# KiCad board GateMateA1-EVB_Rev_A.kicad_pcb (continued)
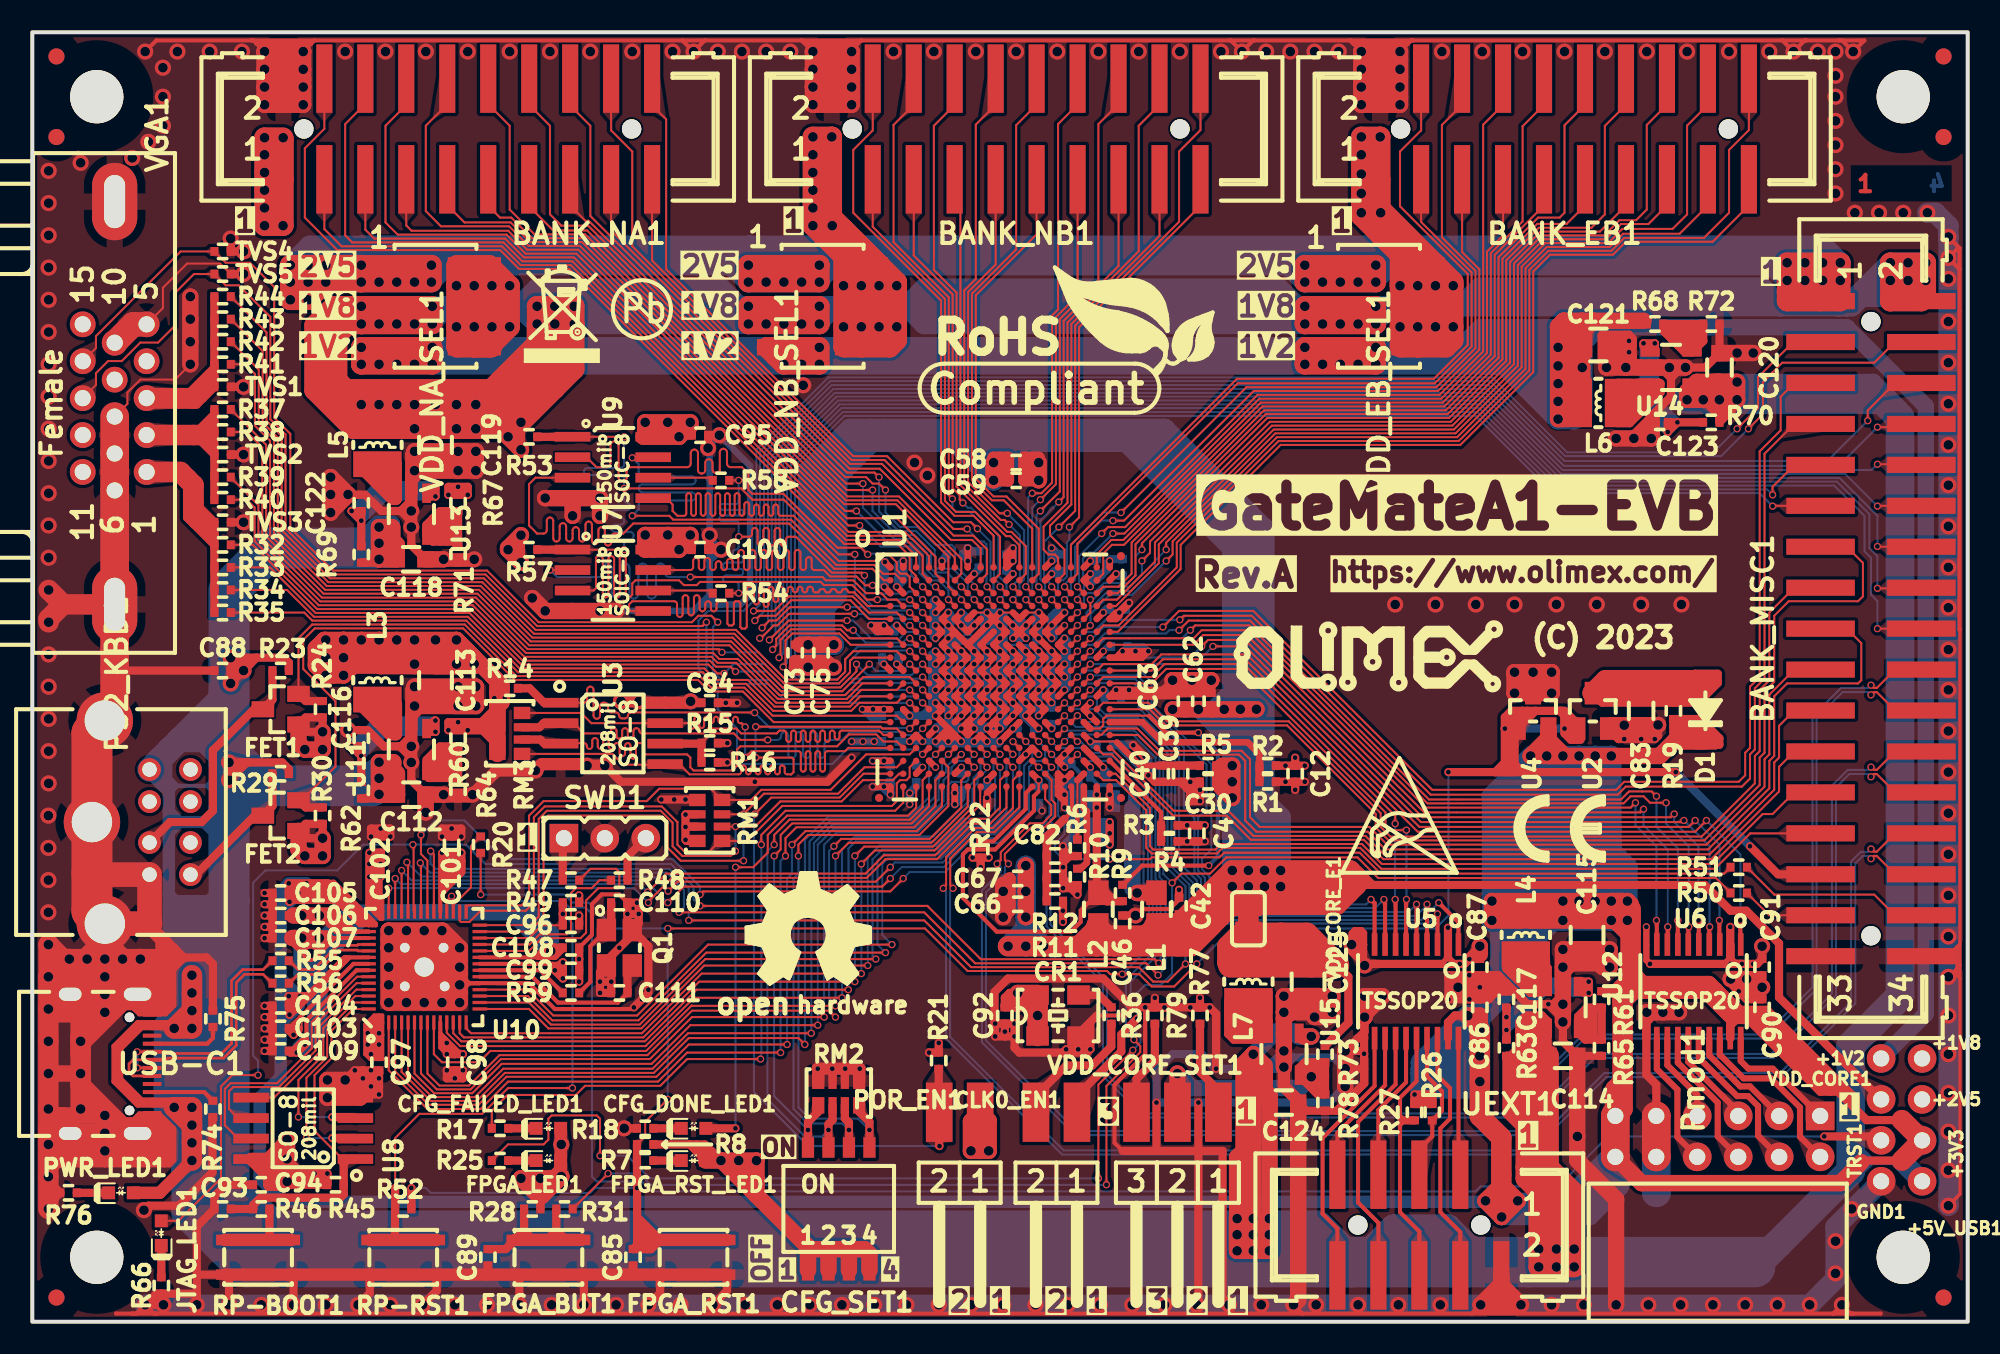
[diagram p0: board, top side]
## Routing (per net, layer and track width the routed paths; a pad name or vN(x,y) marks a point on that pad's centre or on a via; arc(x,y) is an arc through that point) (continued)
  Top w0.762: C124.2 78.49,13.71 77.6,14.6 v1(77.6,15.8) ; 60.2,27.11 C67.1 C66.1 60.59,25.49 v1(60.2,25.1) ; v1(23.5,34.7) v1(23.5,35.7) U11.2 ; 62,53.6 61.51,53.6 C59.1 v1(62.4,52.2) ; 62,53.6 62.4,53.6 v1(62.4,52.2) ; 62,53.6 62,52.6 v1(62.4,52.2) ; 18.3,14.4 v1(18.3,15) ; 18.3,14.4 v1(18.3,13.9) 18.31,13.91 U8.4 20.5,13.91 20.03,14.36 ; 18.3,14.4 20,14.4 20.03,14.36 ; U11.2 23.5,39.2 v1(23.7,39.4) ; U11.2 23.5,37.6 24.68,38.78 C113.2 ; 7.6,12.5 7.6,12.14 USB-C1.0 ; U13.2 23.5,52.2 24.1,52.8 ; U13.2 23.5,53.8 v1(23.7,54) ; U13.2 23.5,52.6 v1(23.7,52.8) ; U13.2 v1(23.5,50.3) v1(23.5,49.3) ; C75.1 49.31,40.99 v1(49.7,40.6) ; C75.1 47.71,40.99 ; C75.1 48.49,40.99 v1(48.1,40.6) 47.71,40.99 ; 35.19,51.09 v1(35.2,51.1) ; 47.71,40.99 C73.1 47.3,40.7 47.4,40.6 ; v1(27.4,47.3) v1(25.5,47.3) ; 20.03,14.36 v1(19.4,15) ; 51.27,15.67 v2(51.3,15.7) ; 51.27,15.67 51.24,15.7 v2(49.6,15.7) v2(48.7,15.7) 48.73,15.67 RM2.1.2 ; 51.27,15.67 RM2.4.2 ; v1(35.5,34.5) v1(34.4,34.5) 34.31,34.59 U3.4 31.59,34.59 v1(31.2,34.2) 28.8,34.2 v1(27.3,32.7) v1(25.5,32.7) ; RP-BOOT1.2 RP-BOOT1.2 RP-RST1.2 RP-RST1.2 FPGA_BUT1.2 FPGA_BUT1.2 FPGA_RST1.2 FPGA_RST1.2
  Top w1.016: v1(23.7,52.8) v1(23.7,54) v1(26.4,54) ; v1(23.7,52.8) 24.28,53.38 C119.2 ; v1(23.7,52.8) v1(26.4,52.8) ; v1(25.5,32.7) C112.2 24.39,31.61 v1(24.4,31.6) ; v1(26.4,52.8) v1(27.5,52.8) v1(27.5,54) ; v1(26.4,52.8) 26.4,52.9 v1(27.5,54) ; v1(26.4,52.8) v1(26.4,54) ; v1(26.4,52.8) 25.82,53.38 C119.2 ; v1(48.4,77.7) v1(48.4,76.6) ; v1(48.4,77.7) v1(48.4,78.8) ; v1(48.4,77.7) 49,77.1 50.8,77.1 ; v1(48.4,77.7) v1(50.8,77.7) ; v1(48.4,76.6) v1(50.8,76.6) ; v1(48.4,76.6) 49,76 50.8,76 ; v1(48.4,76.6) v1(48.4,75.5) v1(50.8,75.5) 50.8,76 ; 26,23.7 v1(26.5,23.2) ; 26,23.7 22.1,23.7 ; 26,23.7 25.44,24.27 v1(22.1,24.27) 22.1,23.7 ; v1(26.5,23.2) 26.49,23.21 U10.57 ; v1(26.5,23.2) 26.5,20.4 ; v1(22.1,23.2) v1(22.1,19.8) 22.2,19.8 ; v1(22.1,23.2) 22.11,23.21 U10.57 U10.57 ; v1(22.1,23.2) 23.1,22.2 23.1,19.8 U10.57 ; v1(22.1,23.2) 22.1,23.7 ; 27.5,38.9 v1(27.5,39.4) v1(23.7,39.4) v1(23.7,38.2) ; 27.5,38.9 24.4,38.9 v1(23.7,38.2) ; 27.5,38.9 v1(27.5,38.2) v1(23.7,38.2) ; 84.8,76 v1(84.8,75.5) v1(82.4,75.5) ; 84.8,76 84.8,77.2 ; 84.8,76 82.9,76 v1(82.4,75.5) ; v1(102.1,19.2) v1(101.1,19.2) v1(100.1,19.2) ; v1(48.4,78.8) v1(50.8,78.8) ; v1(48.4,78.8) 49.57,77.63 BANK_NB1.2 49.57,77.57 v1(50.8,78.8) ; v1(18.5,51.32) v1(18.5,50.2) 18.5,50.25 v1(19.58,51.32) ; v1(18.5,51.32) v1(19.58,51.32) ; v1(18.5,51.32) v1(18.5,52.4) v1(19.58,51.32) ; v1(77.6,15.8) v1(77.6,16.8) U15.2 77.6,18.8 ; v1(81.4,16.8) v1(81.4,15.7) v1(81.4,14.6) ; v1(93.05,40.3) v1(94.2,40.3) ; v1(93.05,40.3) U4.3 ; v1(93.05,40.3) v1(91.9,40.3) ; v1(94.2,40.3) 93.05,39.15 U4.3 ; v1(94.2,40.3) v1(94.2,39) U4.3 ; v1(80.6,19.2) v1(77.6,19.2) ; v1(80.6,19.2) 80.3,18.9 v1(79.5,18.9) ; v1(80.6,19.2) v1(80.6,20.2) 79.42,20.2 79.3,20.08 ; v1(77.6,19.2) v1(77.6,20.2) 79.18,20.2 79.3,20.08 ; v1(77.6,19.2) 77.6,18.8 ; v1(36.2,44.1) v1(35.2,44.1) 35.19,44.09 U7.4 31.81,44.09 v1(31.8,44.1) v1(31,44.9) ; v1(98.8,59.2) v1(97.6,59.2) 97.6,60.08 C121.2 98.12,59.88 v1(98.8,59.2) ; v1(98.8,59.2) U14.2 v1(101.5,59.2) v1(102.5,59.2) ; 1.9,12.8 1.8,12.8 1,12 ; 1.9,12.8 v1(4.5,12.8) ; 1.9,12.8 1.4,12.8 v1(1,13.2) ; v1(99.3,54.8) v1(98.2,54.8) ; v1(99.3,54.8) v1(100.38,54.8) 100.39,54.81 C123.2 99.39,54.8 v1(99.3,54.8) ; 77.6,18.8 78.88,20.08 79.3,20.08 ; v1(91.9,40.3) v1(91.9,39) U4.3 ; v1(91.9,40.3) 91.9,40.15 U4.3 ; v1(50.8,76.6) 50.8,76 ; v1(50.8,76.6) 50.8,77.1 ; v1(9.8,63.6) v1(9.8,62.2) v1(9.8,60.8) v1(9.8,59.4) ; U9.4 31.81,51.09 v1(31.8,51.1) ; U9.4 v1(33.5,50) ; U9.4 35.19,51.09 ; v1(26.4,54) 25.78,53.38 C119.2 ; v1(26.4,54) v1(27.5,54) ; v1(84.8,76.6) v1(82.4,76.6) 83,77.2 84.8,77.2 ; 16.8,77.1 v1(16.8,75.5) v1(14.4,75.5) 14.4,76 ; 16.8,77.1 14.9,77.1 v1(14.4,76.6) v1(16.8,76.6) 16.2,76 14.4,76 ; 16.8,77.1 v1(16.8,78.8) ; v1(3,15.4) v1(1,15.4) ; 26.5,20.4 22.8,20.4 22.2,19.8 ; 26.5,20.4 v1(26.5,19.8) 26,19.8 ; v1(16.8,77.7) v1(14.4,77.7) ; 22.2,19.8 26,19.8 ; 26,19.8 26,22.71 U10.57 ; 21,15.1 20.9,15 v1(19.4,15) v1(18.3,15) v1(18.3,13.9) 20.3,13.9 v2(21,14.6) ; v1(107.25,20.75) 106.3,20.75 106.3,21.26 v1(106.3,21.26) v1(105.3,21.26) ; v1(16.8,78.8) 15.57,77.57 BANK_NA1.2 15.57,77.63 v1(14.4,78.8) ; v1(16.8,78.8) v1(14.4,78.8) ; v1(4.5,12.8) 4.5,11.68 ; v1(4.5,12.8) 5.12,12.17 6.58,12.17 6.9,12.5 ; 90.8,21.1 90.45,20.75 v2(89.75,20.75) v1(88.4,20.75) ; C124.2 78.49,1.34 v1(78.2,1.05) ; v1(35.2,50) v1(35.2,51.1) ; 84.8,77.2 84.8,78.3 ; v1(100.8,37.03) 100.79,37.01 C83.2 v1(98.7,37.01) 97.91,37.01 U2.2 ; U12.2 94.9,21.75 95.4,22.25 ; U12.2 v1(94.9,19.7) v1(94.9,18.6) ; U12.2 v1(94.9,23.1) 96.58,23.1 96.7,22.98 95.88,22.98 v1(94.9,22) 95.15,22.25 ; C118.2 v1(25.5,47.3) ; v1(82.4,75.5) v1(82.4,78.8) ; 50.8,77.1 v1(50.8,77.7) ; v1(50.8,77.7) v1(50.8,78.8) ; 8.2,19.6 7.25,19.6 USB-C1.0 ; 84.8,78.3 v1(84.8,78.8) v1(82.4,78.8) ; 84.8,78.3 83,78.3 v1(82.4,77.7) v1(84.8,77.7) ; 97.38,22 C115.2 96.52,23.1 v1(97.8,23.1) v1(97.8,22) ; 97.38,22 v1(97.8,22) ; 97.38,22 97.13,22.25 95.4,22.25 ; v1(98.2,1.05) 98.2,7.6 95.79,10.01 95.79,16.5 ; v1(97.8,22) 97.55,22.25 95.15,22.25 ; 95.4,22.25 95.15,22.25 ; v1(14.4,78.8) 14.4,76 ; v1(82.4,78.8) 83.57,77.63 BANK_EB1.2 ; v1(49.7,40.6) v1(48.1,40.6) 47.4,40.6 ; 60.2,27.11 v1(60.2,26.7) v1(60.2,25.1) ; 3,19.1 3.1,19.2 ; v1(62.4,53.3) v1(62.4,52.2) ; v1(106.7,60.1) v1(105.7,60.1) 104.62,60.1 C120.2 ; 91.08,2.27 v1(92.3,1.05) v1(89.8,1.05) 91.08,2.33 UEXT1.2 91.08,2.27 ; v1(70.7,39.8) 71.25,39.25 72.55,39.25 v1(73.1,39.8) v1(70.7,39.8) ; v1(83.7,20.2) 82.6,19.1 v1(82.6,18.9) v1(82.6,20.2) v1(83.7,20.2)
  Top w1.27: 8.2,20.45 8.2,19.75 ; 7.9,22.5 8.2,22.2 8.2,20.3 ; 7.9,22.5 v1(6.7,22.5) ; 7.9,22.5 6.53,21.13 USB-C1.0 ; v1(4.5,19.2) 5.62,20.32 USB-C1.0 ; v1(4.5,19.2) 3,17.7 v1(3,17.4) ; v1(4.5,19.2) v1(4.5,20.3) ; v1(4.5,19.2) 1.2,19.2 1.02,19.38 1.02,19.4 ; 1.02,23.38 1.02,23.4 ; 1.02,23.38 1.02,21.42 ; 1.02,23.38 1.9,22.5 v1(2.3,22.5) ; 1.02,21.42 1.02,21.4 ; 1.02,21.42 v1(1,21.4) ; 1.02,21.42 2.1,22.5 v1(2.3,22.5) ; 1.91,44.5 v1(1.02,45.4) ; 1.91,44.5 VGA1.17 ; 1.91,44.5 1.02,43.61 v1(1.02,43.4) ; 1.02,19.4 1,19.38 v1(1,17.4) v1(1,13.2) v1(1,11) ; 1.02,19.4 1.02,19.42 1.92,20.32 USB-C1.0 ; v1(4.5,20.3) v1(4.5,21.4) ; v1(4.5,20.3) 4.48,20.32 USB-C1.0 ; v1(4.5,20.3) 4.52,20.32 USB-C1.0 ; v1(4.5,21.4) 1.02,21.4 ; v1(4.5,21.4) 5.45,21.4 USB-C1.0 ; v1(6.7,22.5) 6.53,22.33 USB-C1.0 ; v1(6.7,22.5) 3.3,22.5 ; v1(1,7) v1(1,9) v1(1,11) ; 3.3,22.5 4.5,23.7 PS2_KBD1.9 ; 3.3,22.5 v1(2.3,22.5) ; v1(1,11) 2.28,11 USB-C1.0 USB-C1.0 ; USB-C1.0 5.96,20.32 3,17.36 3,16.6 ; v1(3,17.4) 3,16.6 ; v1(3,17.4) 3,19.1 ; 3,16.6 v1(3,13.2) ; USB-C1.0 2.08,20.32 1.02,21.38 ; PS2_KBD1.9 4.5,23.6 v1(5.6,22.5) ; PS2_KBD1.9 v1(4.5,22.5) ; 1.02,21.4 1.02,21.38 ; 1.02,21.38 1,21.37 v1(1,19.4) ; USB-C1.0 USB-C1.0 5.96,11.68 3,14.64 v1(3,15.4)
  Top w1.524: 3.7,27.8 3.76,27.74 PS2_KBD1.3 7.27,24.73 7.3,24.7 PS2_KBD1.9 ; 1.14,10.2 1.14,10.3 1.44,10.6 v1(4.5,10.6) 8,10.6 8.1,10.7 8.1,11.64 7.6,12.14 ; VGA1.10 6.25,61.88 VGA1.5
  Top w1.778: PS2_KBD1.9 5.11,37.91 VGA1.17 VGA1.6 VGA1.7 VGA1.8 ; Pmod1.5 Pmod1.11
  Top w2.54: PS2_KBD1.9 3.7,36.5 PS2_KBD1.9 3.7,25.5 PS2_KBD1.9
  In1.Cu w0.127: 61.2,33.2 64.4,33.2 ; 61.2,33.2 61.2,46.8 ; 61.2,33.2 60.4,33.2 ; 53.2,46 U1.A1 54,46.8 ; 53.2,46 66.8,46 ; 53.2,46 U1.C1 ; 53.2,46 53.2,45.97 ; U1.J1 57.2,40.4 U1.J7 58.8,40.4 66.8,40.4 ; U1.J1 53.2,39.6 ; U1.J1 53.2,41.2 ; 53.2,34 66.8,34 ; 53.2,37.2 53.2,36.4 ; 53.2,37.2 56.4,37.2 57.2,37.2 U1.N7 58.8,37.2 65.2,37.2 U1.N17 66.8,37.2 ; 53.2,37.2 U1.M1 ; 53.2,36.4 66.8,36.4 ; 53.2,36.4 53.2,35.6 ; 65.2,46.8 65.2,33.2 ; 65.2,46.8 64.4,46.8 ; 65.2,46.8 65.6,46.8 ; 65.2,33.2 64.4,33.2 ; 65.2,33.2 66,33.2 ; U1.V6 v2(57.2,32.8) ; U1.V6 58,33.2 ; U1.V6 56.4,33.2 ; U1.V6 U1.H6 57.2,42 57.2,46.8 ; v2(56,34.4) U1.T4 ; v2(56,34.4) 56.4,34 ; v2(56,34.4) 56.4,34.8 ; v2(56,34.4) 55.6,34 ; U1.T4 55.6,46.8 ; U1.T4 55.6,34 ; 63.2,46.8 v2(63.2,47.2) ; 63.2,46.8 62,46.8 ; 63.2,46.8 64.4,46.8 ; 66.8,46 66.8,45.2 ; 66.8,46 U1.A18 ; 54.8,46.8 55.6,46.8 ; 54.8,46.8 54.8,33.2 ; 54.8,46.8 54,46.8 ; 55.6,46.8 56.4,46.8 ; 66.8,37.2 66.8,36.4 ; 66.8,37.2 U1.L18 ; 66.8,36.4 66.8,35.6 ; v2(53.2,32.7) 52.8,33.1 v2(52.8,33.2) ; v2(53.2,32.7) U1.V1 ; v2(53.2,32.7) 53.7,33.2 53.8,33.2 ; U1.H18 66.8,40.4 ; U1.H18 U1.H8 58,41.2 53.2,41.2 ; U1.H18 66.8,42 ; 66.8,40.4 66.8,39.6 ; 60.4,33.2 U1.K10 U1.A10 ; 60.4,33.2 U1.V9 ; 66.8,42.8 U1.F1 ; 66.8,42.8 66.8,42 ; 66.8,42.8 U1.E18 ; U1.F1 53.2,43.6 ; U1.F1 53.2,42 ; U1.A7 U1.G7 58,33.2 ; U1.A7 58.8,46.8 ; U1.A7 57.2,46.8 ; U1.A7 v2(58,47.2) ; 66.8,44 U1.E18 ; 66.8,44 v2(67.4,44) ; 66.8,44 66.8,44.4 ; U1.E18 53.2,43.6 ; 62.8,33.2 U1.A13 ; U1.V1 v2(52.8,33.2) ; U1.V1 53.2,33.6 ; U1.V1 53.8,33.2 ; v2(52.8,33.2) 53.2,33.6 ; 58,33.2 58.8,33.2 ; v2(54.4,32.8) 54,33.2 ; v2(54.4,32.8) 54.4,33.2 ; v2(54.4,32.8) 54.8,33.2 ; 54,33.2 54,46.8 ; 54,33.2 53.8,33.2 ; 54,33.2 54.4,33.2 ; 66,46.8 U1.A18 ; 66,46.8 65.6,46.8 ; 66,46.8 66,33.2 ; U1.A18 v2(66.8,47.2) ; 64.4,46.8 64.4,33.2 ; 54.4,33.2 54.8,33.2 ; 54.8,33.2 55.6,33.2 ; 53.2,38.8 U1.M1 ; 53.2,38.8 U1.L5 57.2,38.8 U1.L7 58.8,38.8 U1.L9 60.4,38.8 U1.L11 62,38.8 U1.L13 63.6,38.8 U1.L18 ; 53.2,38.8 53.2,39.6 ; U1.M1 v2(52.8,38) ; U1.M1 56.4,38 U1.M6 58,38 U1.M8 U1.M10 61.2,38 62.8,38 63.6,38 U1.M16 66,38 66.8,38 ; 56.4,46.8 57.2,46.8 ; 56.4,46.8 U1.G5 56.4,41.2 U1.J5 56.4,34.8 ; 66.8,35.6 66.8,34.4 ; 66.8,35.6 61.2,35.6 ; 66.8,34.4 v2(66.4,34.4) ; 66.8,34.4 U1.V18 ; 66.8,45.2 66.8,44.4 ; 66.8,45.2 U1.C1 ; 65.6,46.8 v2(65.6,46.4) ; 53.2,39.6 56.4,39.6 U1.K6 58,39.6 U1.K8 61.2,39.6 U1.K12 62.8,39.6 U1.K14 66.8,39.6 ; 66.8,42 58.8,42 53.2,42 ; v2(52.8,40.8) 53.2,40.8 ; 58.8,33.2 58.8,46.8 ; 58.8,33.2 U1.V9 ; 52.82,45.58 52.83,45.6 53.2,45.6 ; 55.6,33.2 56.4,33.2 ; 55.6,33.2 55.6,34 ; U1.V9 59.6,38 59.6,39.6 59.6,46.8 ; 59.6,46.8 60.8,46.8 ; 59.6,46.8 58.8,46.8 ; 60.8,46.8 v2(60.8,47.2) ; 60.8,46.8 61.2,46.8 ; 56.4,34 56.4,34.8 ; 56.4,34 56.4,33.2 ; 66.8,39.6 66.8,39.2 ; 66.8,39.2 U1.L18 ; 66.8,39.2 v2(67.2,39.2) ; 66,33.2 U1.V18 ; 53.2,35.6 53.2,33.6 ; 53.2,35.6 61.2,35.6 ; v2(61.6,35.2) U1.T11 ; v2(61.6,35.2) 62,34.8 ; v2(61.6,35.2) 61.2,35.6 ; v2(61.6,35.2) U1.R12 ; U1.T11 62,34.8 ; U1.T11 53.2,34.8 ; 62,34.8 66.8,34.8 ; 53.2,41.2 53.2,42 ; 61.2,46.8 62,46.8 ; v2(52.8,43.2) 53.2,43.2 ; 53.2,43.6 53.2,44.4 ; 62,33.2 U1.R12 ; U1.R12 62,46.8 ; U1.V14 63.6,46.8 ; U1.V18 v2(66.8,32.7) ; 66.8,44.4 53.2,44.4 ; 53.2,44.4 U1.C1 ; 66.8,41.6 v2(67.6,41.6) ; 59.2,33.2 v2(59.2,32.5)
  In1.Cu w0.2: v2(64,32.7) v2(64,33.6) ; v2(60,44) v2(59.2,44) ; U1.A1 v2(52.86,47.14) ; 52.82,45.58 v2(52.83,45.6)
  In2.Cu w0.381: 115.91,10 118.81,10
  In2.Cu w0.508: 89.4,20.3 89.75,20.65 v2(89.75,20.75) ; 89.4,20.3 v2(89.1,20) v2(87.8,20) 87.8,20.4 ; 89.4,20.3 87.9,20.3 87.8,20.4 ; 87.8,20.4 87.8,21.1 ; v2(89.75,20.75) v1(88.4,20.75) ; v2(89.75,20.75) 89.75,20.85 89.5,21.1 ; 89.5,21.1 87.8,21.1 ; 89.5,21.1 v2(89.1,21.5) v2(87.8,21.5) 87.8,21.1
  In2.Cu w1.016: v1(100.1,19.2) v1(102.1,19.2) ; 8.14,77 8.14,77.66 v1(7,78.8) 8.14,78.8 ; 25.9,23.8 22.1,23.8 ; 25.9,23.8 25.44,24.27 v1(22.1,24.27) 22.1,23.8 ; 25.9,23.8 v1(26.5,23.2) ; 22.1,23.8 v1(22.1,23.2) ; v1(19.58,51.32) 18.5,50.25 v1(18.5,50.2) v1(18.5,52.4) v1(19.58,51.32) ; v1(19.58,51.32) v1(18.5,51.32) ; v1(105.7,60.1) v1(106.7,60.1) ; v1(107.25,20.75) 106.74,21.26 v1(106.3,21.26) v1(105.3,21.26) ; v1(22.1,23.2) v1(26.5,23.2) ; v1(22.1,23.2) 22.1,22.7 ; v1(26.5,23.2) 26.5,21.4 ; 22.1,22.7 v1(22.1,19.8) v1(26.5,19.8) 26.5,20.4 ; 22.1,22.7 25.8,22.7 v1(26.5,22) ; U10.57 23.1,19.9 v1(23.2,19.8) ; 26.5,21.4 26.5,20.4 ; 26.5,21.4 22.7,21.4 v1(22.1,22) ; v1(35.2,44.1) v1(36.2,44.1) ; v1(102.5,59.2) v1(101.5,59.2) ; 26.5,20.4 22.6,20.4 v1(22.1,20.9) v1(26.5,20.9) ; U10.57 25.5,19.9 v1(25.4,19.8) ; v1(31.8,44.1) v1(31,44.9)
  In2.Cu w1.27: 8.14,2.3 8.14,5.71 v1(6.92,6.92) 5.71,8.14 2.7,8.14 ; 8.14,2.3 9.38,1.05 9.6,1.05 ; 8.14,2.3 8.14,2.19 v1(7,1.05) v1(8.14,1.05) ; 8.14,2.3 v1(8.14,1.05) ; 2.7,8.14 1.86,8.14 1.02,8.98 1.02,9 ; 2.7,8.14 1.15,8.14 1.02,8 ; 2.7,8.14 2.14,8.14 1.02,7.02 1.02,8 ; 111.8,2.5 111.8,2.35 113.1,1.05 v1(112.2,1.05) ; 111.8,2.5 111.8,5.89 GND1.1 115.91,10 ; 111.8,2.5 111.8,1.45 ; v1(111.8,3) 111.8,2.65 v1(110.2,1.05) ; v1(118.8,7.2) 118.81,7.21 118.81,23.79 118.8,23.8 118.8,68.02 118.02,68.8 112.55,68.8 111.86,69.49 111.86,78.74 v1(111.8,78.8) ; v1(8.14,1.05) 9.6,1.05 ; 8.14,77 8.14,77.94 v1(9,78.8) 7.4,78.8 ; 8.14,77 8.14,74.14 5.86,71.86 1.48,71.86 v1(1.02,71.4) 1.02,8 ; 8.14,77 8.14,78.8 v1(14.4,78.8) v1(82.4,78.8) v1(84.8,78.8) 110.6,78.8 ; v1(112.2,1.05) 111.8,1.45 ; v1(112.2,1.05) v1(110.2,1.05) ; 9.6,1.05 v1(10.2,1.05) v1(12.2,1.05) v1(14.2,1.05) v1(16.2,1.05) v1(18.2,1.05) v1(20.2,1.05) v1(22.2,1.05) v1(24.2,1.05) v1(26.2,1.05) v1(28.2,1.05) v1(30.2,1.05) v1(32.2,1.05) v1(34.2,1.05) v1(36.2,1.05) v1(38.2,1.05) v1(40.2,1.05) v1(42.2,1.05) v1(44.2,1.05) v1(46.2,1.05) v1(48.2,1.05) v1(50.2,1.05) v1(52.2,1.05) v1(54.2,1.05) v1(56.2,1.05) v1(58.2,1.05) v1(60.2,1.05) v1(62.2,1.05) v1(64.2,1.05) v1(66.2,1.05) v1(68.2,1.05) v1(70.2,1.05) v1(72.2,1.05) v1(74.2,1.05) v1(76.2,1.05) v1(78.2,1.05) v1(79.6,1.05) v1(82.2,1.05) v1(84.7,1.05) v1(87.3,1.05) v1(89.8,1.05) v1(92.3,1.05) v1(94.2,1.05) v1(96.2,1.05) v1(98.2,1.05) v1(100.2,1.05) v1(102.2,1.05) v1(104.2,1.05) v1(106.2,1.05) v1(108.2,1.05) v1(110.2,1.05) ; 110.6,78.8 110.66,78.8 111.86,77.6 ; 110.6,78.8 111.86,78.8 ; 111.86,77.6 111.86,77.71 112.95,78.8 111.86,78.8 ; 111.86,77.6 111.86,78.8 ; 111.8,1.45 111.4,1.05 v1(110.2,1.05) ; 5.11,71.11 VGA1.16
  Bottom w0.127: 61.9,41.9 61.8,41.8 61.4,41.8 ; 61.9,41.9 61.3,41.9 ; 61.9,41.9 62,42 ; 61.3,41.9 U1.G11 ; 61.3,41.9 61.4,41.8 ; v2(61.6,41.6) 61.5,41.6 61.1,42 ; v2(61.6,41.6) 61.4,41.6 61.2,41.8 ; v2(61.6,41.6) 61.4,41.8 ; 62,42 61.2,42 U1.G11 ; 62,42 62.05,42.05 ; U1.G11 61.1,42 ; 61.2,41.8 61.2,41.7 ; 61.2,41.8 61,42 ; 61.2,41.7 61.39,41.51 C64.1 61.2,41.39 61.2,41.7 ; 61,42 60.21,42 ; 61,42 61.1,42
  Bottom w0.254: 62.65,42.15 v2(62.4,42.4) 62.15,42.15 ; 62.65,42.15 v2(63.2,41.6) ; 62.65,42.15 62.15,42.15 ; 62.15,42.15 v2(61.6,41.6) ; 62.15,42.15 62.15,42.7 ; C10.2 65.6,45.89 v2(65.6,45.6) ; 62.15,42.7 62.15,42.95 v2(62.4,43.2) ; 62.15,42.7 62.15,43.75 v2(62.4,44) ; 66.24,46.29 66.24,46.24 v2(65.6,45.6) ; v2(60,42.4) 60.1,42.4 60.5,42 60.5,41.99 60.21,41.7 ; v2(65.6,45.6) v2(65.6,46.4)
  Bottom w0.381: 52.2,37.6 51.8,38 v2(51.46,38) ; 52.2,37.6 C13.2 ; 52.2,37.6 52.32,37.47 ; 52.32,37.47 52.57,37.47 C13.2 ; 52.32,37.47 51.99,37.47 v2(51.46,38) ; C13.2 52.69,37.89 v2(52.8,38) 52.3,38 ; C13.2 52.3,37.99 52.3,38 ; v2(68.4,41.6) v2(67.6,41.6) 67.9,41.9 C1.1 ; v2(68.4,41.6) 68.1,41.9 C1.1 ; v2(68.4,41.6) v2(69.2,41.6) 68.9,41.9 C1.1 ; v2(64,33.6) v2(64,32.7) C49.1 ; 52.3,38 v2(51.46,38) ; v2(64,31.9) C47.1 C49.1 ; C49.1 64.49,33.5 C79.2 ; 66.4,34.01 v2(66.4,34.4) 66.61,34.19 C45.1 66.4,34.01
  Bottom w0.406: v2(60,42.4) 59.8,42.2 59.6,42.2 ; 42,45.1 42.6,44.5 42.7,44.5 ; 42,45.1 41.4,44.5 ; 42,45.1 42,44.5 ; 42,45.1 42,47.2 ; v2(58.4,41.6) 58.4,42.2 ; 58.4,42.2 59,42.2 ; 58.4,42.2 58,42.2 ; 42.3,48.3 42,48.6 v1(42,48.8) ; 42.3,48.3 42.3,47.5 ; 42.3,48.3 v1(42.7,47.9) 42.3,47.5 ; 57.3,42.2 56.9,42.2 56.8,42.1 ; 57.3,42.2 58,42.2 ; 57.3,42.2 56.8,41.7 v2(56.8,41.6) ; 57.3,42.2 56.91,42.59 C29.1 ; C78.1 64.49,31.41 v2(64,31.9) ; 58.4,41.8 58,42.2 ; v1(42,48.8) 42,54.1 v1(41.9,54.2) 41.9,54.3 v1(42.6,55) 44.5,53.1 44.5,45.1 43.9,44.5 42.7,44.5 ; v1(42,48.8) 42,47.2 ; 59,42.2 59.01,42.21 C23.2 ; 59,42.2 59.6,42.2 ; 61.6,37.4 61.39,37.61 61.39,37.81 ; 61.6,37.4 62.11,36.9 C36.1 ; 61.6,37.4 v2(61.6,37.6) ; 59.6,42.2 60,41.8 v2(60,41.6) ; 59.6,42.2 59.6,42.21 C24.1 ; 42.7,44.5 42,44.5 ; 42,44.5 41.4,44.5 ; v1(36.2,44.1) 41,44.1 41.4,44.5 ; 42.3,47.5 42,47.2 ; v2(64,32.7) v2(64,31.9) ; v2(64,31.9) 64.2,32.1 64.2,32.7
  Bottom w0.457: v2(65.6,46.4) 65.89,46.4 ; v2(65.6,46.4) 66.35,46.4 ; v2(65.6,46.4) 65.71,46.29
  Bottom w0.508: 60.21,42.19 C60.1 60.21,37.01 ; 60.21,42.19 v2(60,42.4) ; 60.21,42.19 60.21,42.19 60.21,42.78 ; v2(59.2,44) 59.2,42.99 C23.2 ; v2(59.2,44) 59.6,44 ; v2(59.2,44) 59.01,43.81 C31.2 59.02,43.59 59.02,42.81 C23.2 ; C5.1 52.69,40.91 v2(52.8,40.8) ; 65.89,46.4 C10.2 ; C10.2 66.24,46.29 ; C10.2 65.71,46.29 ; 56.8,36.9 56.4,36.9 56.8,37.3 ; 56.8,36.9 v2(56.8,37.6) ; 56.8,36.9 57.19,36.9 C80.2 56.8,37.31 v2(56.8,37.6) ; 66.24,46.29 66.64,46.69 ; 66.24,46.29 65.99,46.05 65.75,46.05 ; 66.64,46.69 66.64,47.04 v2(66.8,47.2) 66.91,47.31 C2.2 ; 66.64,46.69 66.35,46.4 ; v2(58.4,41.6) 58.4,41.8 59.2,42.6 ; v2(58.4,41.6) v2(58.4,37.6) ; v2(58.4,41.6) 58.48,41.52 C51.1 58.48,36.88 v2(58.4,36.8) v2(58.4,37.6) ; v2(58.4,41.6) 58.4,42 ; v2(56.8,41.6) 56.8,41.21 C21.2 ; v2(56.8,41.6) v2(56.8,42.4) ; v2(56.8,41.6) v2(56.8,40) 56.81,40.01 C28.2 56.81,40.79 v2(56.8,40.8) 56.8,41.19 C21.2 ; 67.41,44.01 67.6,44.2 C34.1 67.81,44.41 v2(68,44.6) 67.41,44.01 ; 67.41,44.01 67.41,44 ; 59.2,42.6 v2(59.2,43.2) 59.2,42.8 58.4,42 ; 59.2,42.6 60,41.8 ; v2(58.4,37.6) 58.4,37.31 ; C47.1 C78.1 64.49,30.08 63.91,29.5 v2(63.9,29.5) ; 78.2,16.4 80.7,16.4 v1(81.4,15.7) ; 78.2,16.4 v1(77.6,15.8) ; 78.2,16.4 78,16.4 v1(77.6,16.8) ; v2(60,37.6) 60,37.31 C27.2 ; 59.6,44 v2(60,44) ; 59.6,44 59.6,42.8 v2(60,42.4) ; v2(60,44) v2(60,42.4) ; v2(60,44) 60.21,43.79 60.21,42.78 ; v2(60,44) 60.19,43.81 C32.1 C24.1 ; v2(56.8,37.6) v2(56.8,44) ; v2(56.8,37.6) 56.8,37.3 ; 58,47.6 v2(58,47.2) 58,47.31 C7.1 58,47.89 v2(58,48) ; 58,47.6 v2(58,48) ; 58,47.6 58.21,47.81 C15.2 58.19,47.81 v2(58,48) ; C70.2 53.2,32.8 v2(52.8,33.2) ; C70.2 v2(53.2,32.7) 52.7,33.2 v2(52.1,33.2) v2(52.8,33.2) ; C70.2 52.91,33.2 v2(52.8,33.2) ; 60.21,37.01 v2(60,36.8) ; 60.21,37.01 60.11,36.91 C35.2 ; v2(60,36.8) 59.89,36.91 C27.2 ; v2(60,36.8) v2(57.6,36.8) ; v2(60,36.8) v2(60,42.4) ; v2(60,36.8) v2(56,36.8) ; C22.1 56.91,43.31 v2(56.8,43.2) ; C22.1 56.91,43.89 v2(56.8,44) ; C22.1 C29.1 56.91,42.51 v2(56.8,42.4) ; v1(77.6,15.8) 77.5,15.7 76.5,15.7 ; v1(77.6,15.8) v1(77.6,16.8) ; 60.21,42.78 C24.1 ; C68.2 54.8,33.2 v2(54.4,32.8) v2(54.4,32.1) ; v2(57.2,32.8) 57.39,32.99 C11.2 ; v2(57.2,32.8) v2(57.2,32.1) 57.6,32.5 C11.2 ; v2(57.2,32.8) 57.41,32.8 C11.2 ; 58.4,42 58.6,42.2 ; 58.6,42.2 59.01,42.61 C23.2 ; 58.6,42.2 58.48,42.08 C56.1 ; v2(60,42.4) 60.19,42.59 C24.1 ; v2(60,42.4) v2(60,43.2) ; v1(77.6,16.8) 76.5,15.7 ; 76.5,15.7 v2(73.4,15.7) 72.5,16.6 70.7,16.6 69.7,15.6 v2(69.7,13.6) v2(72.3,13.6) 80.4,13.6 v1(81.4,14.6) ; C21.2 56.81,43.99 v2(56.8,44) ; C21.2 56.81,37.31 56.8,37.3 ; v2(56.8,42.4) v2(56.8,43.2) ; v2(57.6,36.8) v2(56,36.8) ; v2(57.6,36.8) 57.71,36.91 C35.2 ; v2(68.96,35.07) 69.2,34.84 v2(69.2,33.9) ; v2(68.96,35.07) 68.96,34.13 v2(69.2,33.9) ; v2(68.96,35.07) v2(68.27,35.77) 68.23,35.8 C41.1 67.3,35.8 v2(69.2,33.9) ; v2(56.8,44) v2(56.8,43.2) ; v2(56,36.8) 56.11,36.91 C35.2 ; C35.2 58.4,37.31 ; C35.2 C19.2 ; C76.2 v2(50.8,36) ; C27.2 C19.2 ; 58.4,37.31 C19.2 ; C48.1 62.4,31.9 v2(62.6,31.7) ; v2(59.2,32.5) C3.1 v2(59.2,31.8) ; v2(62.4,36.8) C36.1 ; 61.39,41.39 v2(61.6,41.6) v2(61.6,37.6) 61.39,37.81 C71.1 61.39,41.39 ; 60.79,48 C16.1 60.4,47.6 v2(60.8,47.2) v2(60.8,48) 60.79,48 ; v2(52.86,47.14) 52.86,45.63 v2(52.83,45.6) 52.69,45.74 C14.2 C6.2 52.69,46.96 v2(52.86,47.14) ; v2(62.4,44) v2(62.4,43.2) v2(62.4,42.4) 62.29,42.51 C26.1 C18.1 62.29,43.89 v2(62.4,44) ; v2(52,43.2) v2(52.8,43.2) 52.45,42.85 C38.1 52.35,42.85 v2(52,43.2) ; v2(63.2,38.4) C20.1 63.14,38.17 C33.2 C17.2 63.14,41.54 v2(63.2,41.6) v2(63.2,39.2) v2(63.2,38.4) ; C43.1 v2(66.8,31.9) v2(66.8,32.7) C44.1 C43.1 ; 67.2,39.01 C9.2 67.51,38.71 v2(68,39.2) v2(67.2,39.2) 67.2,39.01 ; v2(63.2,48) 63.59,47.61 C8.2 63.61,47.61 v2(63.2,47.2) v2(63.2,48)
  Bottom w1.016: 26,23.2 v1(22.1,23.2) 22.1,23.8 ; 26,23.2 v1(26.5,23.2) 25.44,24.27 v1(25.4,24.27) v1(22.1,24.27) 22.1,23.8 ; 26,23.2 25.4,23.8 22.1,23.8
  Bottom w1.27: v1(118.8,7.2) 118.81,7.21 118.81,67.29 v1(118.8,67.3) 118.8,68 118,68.8 v1(117.5,68.8) ; GND1.1 111.8,5.89 v1(111.8,3) 111.8,2.65 v1(110.2,1.05) 7,1.05 v1(7,1.05)
  Bottom w1.778: 100.7,8 100.69,8.01 Pmod1.11
  vias: v1(1.02,69.4) v1(1.02,67.4) v1(1.02,65.4) v1(1.02,63.4) v1(1.02,61.4) v1(1.02,59.4) v1(1.02,57.4) v1(1.02,55.4) v1(1.02,53.4) v1(1.02,51.4) v1(1.02,49.4) v1(1.02,47.4) v1(1.02,41.4) v1(1.02,39.4) v1(1.02,37.4) v1(1.02,35.4) v1(1.02,33.4) v1(1,31.4) v1(1,29.4) v1(1,27.4) v1(1,25.4) v1(1,23.4) v1(3,71.9) v1(3.4,22.5) v1(4.5,11.7) v1(6.2,72.2) v1(7.2,73.2) v1(8.1,77.8) v1(8.1,76) v1(8.1,74.2) v1(11,78.8) v1(13,78.8) v1(19.4,78.8) v1(21.9,78.8) v1(23.2,24.27) v1(24.3,24.27) v1(24.3,19.8) v1(24.4,78.8) v1(26.4,39.4) v1(26.4,38.2) v1(27,78.8) v1(29.6,78.8) v1(32.1,78.8) v1(34.6,78.8) v1(37.2,78.8) v1(39.7,78.8) v1(42.5,78.8) v1(44,78.8) v1(45.5,78.8) v1(47,78.8) v1(47.8,58.1) v1(53.4,78.8) v1(54.7,53.3) v1(55.5,52.5) v1(55.9,78.8) v1(58.5,78.8) v1(61,78.8) v1(63.55,78.8) v1(66.1,78.8) v1(68.6,78.8) v1(71.15,78.8) v1(73.7,78.8) v1(76.5,78.8) v1(78,78.8) v1(79.5,78.8) v1(81,78.8) v1(84.5,44.5) v1(87,44.5) v1(87.4,78.8) v1(89.5,44.5) v1(89.9,78.8) v1(91.9,44.5) v1(92.4,78.8) v1(94.5,44.5) v1(95,78.8) v1(95.8,11.5) v1(97,44.5) v1(97.5,78.8) v1(99.75,44.5) v1(100.1,78.8) v1(102.25,44.5) v1(102.6,78.8) v1(105.2,78.8) v1(107.7,78.8) v1(110.7,78.8) v1(111.8,77.3) v1(111.8,76) v1(111.8,74.5) v1(111.8,73) v1(111.8,71.5) v1(111.8,70) v1(111.8,5) v1(112.8,7) v1(113,68.8) v1(114.5,68.8) v1(116,68.8) v1(118.8,64.7) v1(118.8,62.05) v1(118.8,59.5) v1(118.8,56.95) v1(118.8,54.4) v1(118.8,51.9) v1(118.8,49.35) v1(118.8,46.8) v1(118.8,44.3) v1(118.8,41.7) v1(118.8,39.2) v1(118.8,36.65) v1(118.8,34.1) v1(118.8,31.55) v1(118.8,29) v1(118.8,26.45) v1(118.8,23.9) v1(118.8,19) v1(118.8,16.6) v1(118.8,14.2) v1(118.8,11.8) v1(118.8,9.4) v2(20.5,15.1) v2(38.2,20.6) v2(39.8,32.4) v2(50.4,15.7) v2(51.5,36) v2(52.12,38) v2(52.2,36) v2(71.8,32.6) v2(105.8,20.5)
